# Altium PCB 28Pins_Project_V1I1_PCB.PcbDoc (part 2 of 2)
Units mil, origin at the board's own origin, x right, y up, seen from the top; angles counter-clockwise.
Board outline 2700 x 2100 mil, 2 copper layers (L1, L2), stack 66.476 mil thick; 106 components, 71 nets, 323 pads, 106 vias.
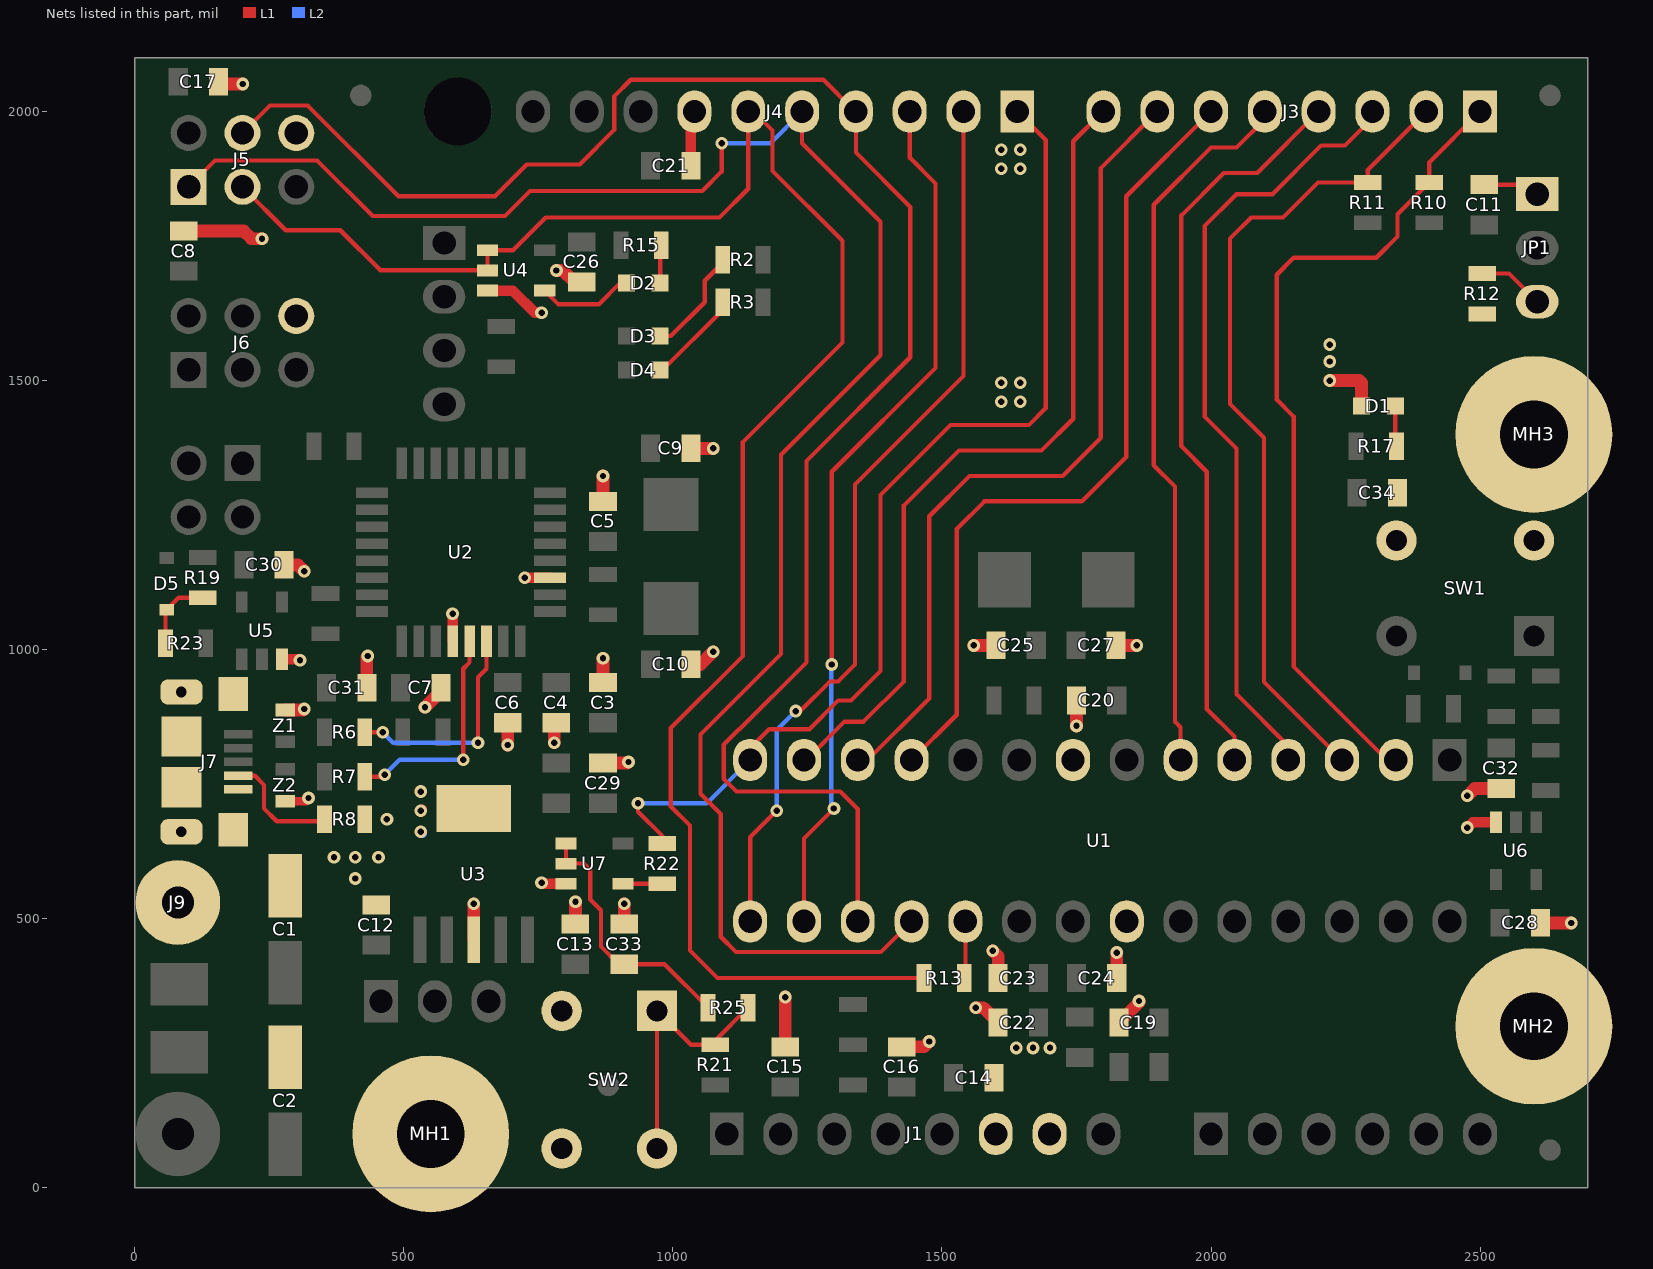
[diagram p2: the nets of this part, all layers, seen from the top]

## Via types
v1: diameter 23.62, hole 11.81, L1 to L2, tented both sides, 106 vias

## Nets (pads, with @x,y where several pads share a name; then routed paths per layer and width w, separated by ;. In a path a pad name is that pad's centre, name@x,y a point inside that pad or via, vN(x,y) a via of type N, cw(c..) or ccw(c..) an arc to the next point about the centre after c; other vN are vias at no path point) (continued)
GND: C1.2 C2.2 C3.2 C4.2 C5.2 C6.2 C7.1 C8.2 C9.1 C10.1 C12.2 C13.2 C14.2 C15.2 C16.2 C17.2 C19.2 C20.2 C21.2 C22.2 C23.2 C24.2 C25.1 C26.2 C27.1 C28.2 C29.2 C30.2 C31.2 C32.2 C33.2 C34.2 D1.1 J1.6 J1.7 J4.7 J5.6 J6.6 J7.5 J7.6 J7.7 J7.8 J7.9 J7.10 J7.11 J9.1 MH1.1 MH2.1 MH3.1 R8.2 R12.2 SW1.3 SW1.4 SW2.3 SW2.4 U1.8 U1.22 U2.3 U2.28 U3.3 U3.6 U4.3 U5.3 U6.3 U7.3 Z1.1 Z2.1 | length 2585.1
  L1 w15.75: J7.9@82.68,657.48 J7.9@86.61,661.42 ; J7.11@86.61,744.09 J7.11@104.33,744.09 ; J7.10@86.61,838.58 J7.10@104.33,838.58 ; J7.7@179.13,661.42 J7.7@183.07,665.35 J7.7@191.93,674.21 ; J7.6@179.13,921.26 J7.6@183.07,917.32 ; C1.2@279.53,564.96 C1.2@279.53,568.9 ; Z2.1@279.53,718.5 v1@318.62,718.5 ; v1@431.1,986.22 v1(433.07,988.19) ; v1(531.5,700.79) v1@535.43,704.72 ; MH1.1@550,100 MH1.1@583.07,66.93 ; U1.8@1743.5,795 U1.8@1750,801.5 ; U1.22@1824.8,476.3 U1.22@1843.5,495
  L1 w19.68: U5.3@273.62,982.28 305.12,982.28 v1(307.09,980.32) ; v1@312.99,887.8 v1(314.96,889.76) ; U2.28@590.55,1015.75 v1(590.55,1066.93) ; U4.3@655.51,1667.32 702.36,1667.32 743.7,1625.98 v1(755.91,1625.98) ; v1(724.41,1133.86) U2.3@771.65,1133.86 ; v1(755.91,566.93) 757.87,564.96 U7.3@801.18,564.96 ; C29.2@862.2,789.37 C29.2@870.08,789.37 ; v1@915.35,789.37 v1(917.32,791.34) ; C21.2@1033.46,1899.61 1033.46,1993.46 1034.72,1993.46 1040,1988.19 J4.7@1040,2000 ; v1(2476.38,669.29) 2486.22,679.13 U6.3@2529.53,679.13
  L1 w23.62: C8.2@90.55,1778.11 202.2,1778.11 216.54,1763.78 v1(236.22,1763.78) ; C17.2@155.51,2055.12 159.45,2051.18 v1(200.79,2051.18) ; C30.2@277.56,1157.48 303.15,1157.48 v1(314.96,1145.67) ; Z1.1@279.53,887.8 v1@312.99,887.8 ; C31.2@431.1,929.13 v1@431.1,986.22 ; v1(539.37,893.07) 568.9,922.6 C7.1@568.9,929.13 ; U3.3@629.92,460.63 v1(629.92,527.56) ; v1(692.91,822.83) C6.2@692.91,864.17 ; v1(779.53,826.77) 779.53,860.24 C4.2@783.46,864.17 ; v1(783.46,1704.72) 795.28,1704.72 816.93,1683.07 C26.2@830.71,1683.07 ; C13.2@818.9,490.16 v1(818.9,531.5) ; C29.2@870.08,789.37 v1@915.35,789.37 ; C3.2@870.08,938.98 v1(870.08,984.25) ; C5.2@870.08,1275.59 v1(870.08,1322.83) ; C33.2@909.45,490.16 v1(909.45,527.56) ; C10.1@1033.46,972.44 1051.18,972.44 v1(1074.8,996.06) ; C9.1@1033.46,1374.02 v1(1074.8,1374.02) ; C15.2@1208.66,261.81 v1(1208.66,354.33) ; C16.2@1425.2,261.81 1466.54,261.81 v1(1476.38,271.65) ; v1(1559.06,1007.87) C25.1@1600.39,1007.87 ; v1(1562.99,334.65) 1576.77,334.65 C22.2@1604.33,307.09 ; v1(1594.49,440.28) 1604.33,430.43 C23.2@1604.33,389.76 ; v1(1750,858.27) C20.2@1750,905.51 ; C27.1@1823.82,1007.87 v1(1862.2,1007.87) ; C24.2@1824.8,389.76 v1(1824.8,437.01) ; C19.2@1828.74,307.09 1866.14,344.49 v1(1866.14,347.09) ; v1(2220.47,1500) 2275.59,1500 2279.53,1496.06 D1.1@2279.53,1452.76 ; v1(2476.38,728.35) 2490.16,742.13 C32.2@2539.37,742.13 ; C28.2@2612.2,492.13 v1(2669.29,492.13)
  L1 w35.43: J1.6@1596.46,103.54 J1.6@1600,100
  L2 w15.75: J7.8@82.68,917.32 J7.8@86.61,921.26 ; v1(531.5,661.42) v1@535.43,657.48 ; MH1.1@550,100 MH1.1@550,108.27 ; J1.6@1600,100 J1.6@1600,124.41 ; U1.22@1824.8,476.3 U1.22@1843.5,495 ; MH3.1@2511.81,1488.19 MH3.1@2600,1400 ; MH2.1@2600,300 MH2.1@2669.29,369.29 ; SW1.3@2600,1203.15 SW1.3@2600.39,1202.76
  other v1: 1637.8,259.84 1669.29,259.84 1700.79,259.84 409.45,574.8 370.08,614.17 409.45,614.17 452.76,614.17 468.5,685.04 322.83,724.41 531.5,736.22 1610.24,1460.63 1645.67,1460.63 1610.24,1496.06 1645.67,1496.06 2220.47,1535.43 2220.47,1566.93 1610.24,1893.7 1645.67,1893.7 1610.24,1929.13 1645.67,1929.13
IO0: J3.1 R10.2 U1.2 | length 1552.8
  L1 w7.87: U1.2@2343.5,795 2327.16,795 2153.54,968.62 2153.54,1433.07 2122.05,1464.57 2122.05,1696.85 2153.54,1728.35 2307.09,1728.35 2346.46,1767.72 2346.46,1809.06 R10.2@2405.51,1868.11 2405.51,1905.51 J3.1@2500,2000
IO1: J3.2 R11.2 U1.3 | length 1531
  L1 w7.87: U1.3@2243.5,795 2098.43,940.08 2098.43,1393.7 2035.43,1456.69 2035.43,1763.78 2074.8,1803.15 2133.86,1803.15 2198.82,1868.11 R11.2@2291.34,1868.11 2291.34,1891.34 J3.2@2400,2000
IO2: J3.3 U1.4 | length 1463.5
  L1 w7.87: U1.4@2143.5,795 2143.5,821.06 2047.24,917.32 2047.24,1374.02 1988.19,1433.07 1988.19,1787.4 2047.24,1846.46 2114.17,1846.46 2204.72,1937.01 2248.82,1937.01 2300,1988.19 J3.3@2300,2000
IO3: J3.4 U1.5 | length 1388
  L1 w7.87: U1.5@2043.5,795 2043.5,838.39 1992.13,889.76 1992.13,1330.71 1944.88,1377.95 1944.88,1807.09 2023.62,1885.83 2085.83,1885.83 J3.4@2200,2000
IO4: J3.5 U1.6 | length 1338.8
  L1 w7.87: U1.6@1943.5,795 1943.5,855.71 1933.07,866.14 1933.07,1303.15 1893.7,1342.52 1893.7,1826.77 2000,1933.07 2047.24,1933.07 2100,1985.83 J3.5@2100,2000
IO5: J3.6 U1.11 | length 1541.6
  L1 w7.87: U1.11@1443.5,795 1527.56,879.06 1527.56,1224.41 1578.74,1275.59 1759.84,1275.59 1842.52,1358.27 1842.52,1842.52 J3.6@2000,2000
IO6: J3.7 U1.12 | length 1547.8
  L1 w7.87: U1.12@1343.5,795 1361.93,795 1476.38,909.45 1476.38,1248.03 1551.18,1322.83 1724.41,1322.83 1795.28,1393.7 1795.28,1895.28 J3.7@1900,2000
IO7: J3.8 U1.13 | length 1549.2
  L1 w7.87: U1.13@1243.5,795 1247.76,795 1318.9,866.14 1354.33,866.14 1429.13,940.94 1429.13,1267.72 1531.5,1370.08 1685.04,1370.08 1744.09,1429.13 1744.09,1944.88 1799.21,2000 J3.8@1800,2000
IO8: J4.1 R22.1 U1.14 | length 1932.8
  L1 w7.87: v1(935.04,714.57) 935.04,698.82 980.32,653.54 R22.1@980.32,639.76 ; U1.14@1143.5,795 1143.5,816.73 1178.86,852.09 1253.66,852.09 1307.09,905.51 1330.71,905.51 1385.83,960.63 1385.83,1287.4 1515.75,1417.32 1661.42,1417.32 1692.91,1448.82 1692.91,1947.09 J4.1@1640,2000
  L2 w7.87: v1(935.04,714.57) 1063.07,714.57 U1.14@1143.5,795
IO9: J4.2 U1.15 | length 1683.1
  L1 w7.87: U1.15@1143.5,495 1143.5,651.38 v1(1192.91,700.79) ; v1(1228.35,885.83) 1236.61,885.83 1291.73,940.94 1307.09,940.94 1338.58,972.44 1338.58,1307.09 1540,1508.5 J4.2@1540,2000
  L2 w7.87: v1(1192.91,700.79) 1192.91,850.39 v1(1228.35,885.83)
MISO: J4.5 J5.1 U1.18 | length 3456.9
  L1 w7.87: J5.1@100,1860 149.21,1909.21 338.82,1909.21 442.13,1805.91 687.8,1805.91 734.25,1852.36 1054.58,1852.36 1090.55,1888.33 v1@1090.55,1937.01 ; J4.5@1240,2008.03 J4.5@1240,2000 1240,1941.1 1385.83,1795.28 1385.83,1547.24 1200.79,1362.2 1200.79,992.13 1051.18,842.52 1051.18,732.28 1088.78,694.69 1088.78,466.34 1117.2,437.91 1386.42,437.91 U1.18@1443.5,495
  L2 w7.87: v1(1090.55,1940.94) 1180.94,1940.94 J4.5@1240,2000
MOSI: J4.4 J5.4 U1.17 | length 3288.9
  L1 w7.87: J5.4@200,1960 251.18,2011.18 321.2,2011.18 489.86,1842.52 669.29,1842.52 728.35,1901.57 826.77,1901.57 890.79,1965.59 890.79,2028.26 921.58,2059.06 1279.53,2059.06 1338.58,2000 J4.4@1340,2000 1340,1923.78 1440.94,1822.83 1440.94,1543.31 1248.03,1350.39 1248.03,976.38 1123.74,852.09 1123.12,852.09 1094.29,823.26 1094.29,760.04 1118.11,736.22 1311.02,736.22 1343.5,703.74 U1.17@1343.5,495
NetC11_2: C11.2 JP1.1 | length 113.6
  L1 w7.87: C11.2@2515.75,1864.17 2572.83,1864.17 2590.55,1846.46 JP1.1@2622.05,1846.46
NetD1_2: D1.2 R17.1 | length 75.6
  L1 w7.87: D1.2@2342.52,1452.76 2342.52,1379.92 R17.1@2344.49,1377.95
NetD2_1: D2.1 U4.4 | length 178.5
  L1 w7.87: U4.4@761.81,1667.32 787.4,1641.73 862.2,1641.73 901.57,1681.1 D2.1@913.39,1681.1
NetD2_2: D2.2 R15.1 | length 74.8
  L1 w7.87: D2.2@976.38,1681.1 R15.1@976.38,1755.91
NetD3_2: D3.2 R2.1 | length 201.4
  L1 w7.87: D3.2@976.38,1582.68 996.06,1582.68 1059.06,1645.67 1059.06,1685.66 1092.52,1719.12 R2.1@1092.52,1724.41
NetD4_2: D4.2 R3.1 | length 176.8
  L1 w7.87: D4.2@976.38,1519.69 980.94,1519.69 1092.52,1631.26 R3.1@1092.52,1645.67
NetD5_2: D5.2 R19.1 R23.1 | length 147.1
  L1 w7.87: R23.1@57.09,1003.94 57.09,1072.08 D5.2@59.06,1074.05 81.46,1096.46 R19.1@125.98,1096.46
NetJ7_4: J7.4 R8.1 | length 222.9
  L1 w7.87: J7.4@191.93,765.75 223.06,765.75 240.16,748.65 240.16,704.72 263.78,681.1 348.43,681.1 R8.1@352.36,685.04
NetJP1_3: JP1.3 R12.1 | length 135.2
  L1 w7.87: R12.1@2503.94,1698.82 2553.94,1698.82 JP1.3@2606.3,1646.46 ; JP1.3@2614.17,1654.33 JP1.3@2622.05,1646.46
NetR22_2: R22.2 U7.4 | length 72.8
  L1 w7.87: U7.4@907.48,564.96 R22.2@980.32,564.96
SCK: J4.6 J5.3 R13.2 U4.1 U4.2 | length 3472.6
  L1 w7.87: J5.3@200,1860 280.47,1779.53 381.89,1779.53 456.3,1705.12 U4.2@655.51,1705.12 ; U4.2@655.51,1704.72 U4.2@655.51,1705.12 ; R13.2@1466.54,389.76 1082.68,389.76 1031.5,440.94 1031.5,673.23 996.06,708.66 996.06,854.33 1129.92,988.19 1129.92,1385.83 1314.96,1570.87 1314.96,1759.84 1185.04,1889.76 1185.04,1964.57 1149.61,2000 J4.6@1140,2000 1140,1856.54 1086.61,1803.15 763.78,1803.15 702.76,1742.13 U4.1@655.51,1742.13 U4.2@655.51,1705.12
SCK_R: R13.1 U1.19 | length 106.1
  L1 w7.87: R13.1@1541.34,389.76 1543.5,391.93 U1.19@1543.5,495
SS: J4.3 U1.16 | length 1630.4
  L1 w7.87: U1.16@1243.5,495 1243.5,649.02 v1(1299.21,704.72) ; v1(1295.28,972.44) 1295.28,1330.71 1488.19,1523.62 1488.19,1866.14 1440,1914.33 J4.3@1440,2000
  L2 w7.87: v1(1295.28,972.44) 1294.29,971.46 1294.29,709.65 v1(1299.21,704.72)
USB_N: R6.2 U2.30 | length 414.3
  L1 w7.87: R6.2@427.17,846.46 v1(460.63,846.46) ; v1(637.8,826.77) 637.8,948.82 653.54,964.57 U2.30@653.54,1015.75
  L2 w7.87: v1(460.63,846.46) 480.31,826.77 v1(637.8,826.77)
USB_P: R7.2 U2.29 | length 421.5
  L1 w7.87: R7.2@427.17,763.78 460.63,763.78 v1(464.57,767.72) ; v1(610.24,795.28) 610.24,964.57 622.05,976.38 U2.29@622.05,1015.75
  L2 w7.87: v1(464.57,767.72) 492.13,795.28 v1(610.24,795.28)
USER_BUTTON: R21.1 R25.1 SW2.1 SW2.2 | length 484.4
  L1 w7.87: SW2.2@970.47,72.83 SW2.1@970.47,328.74 1033.46,265.75 R21.1@1078.74,265.75 1078.74,273.62 R25.1@1139.76,334.65
USER_BUTTON_BUF: C33.1 R25.2 U7.1 U7.2 | length 483.9
  L1 w7.87: U7.1@801.18,639.76 U7.2@801.18,602.36 834.65,602.36 846.46,590.55 846.46,535.43 866.14,515.75 866.14,448.19 898.98,415.35 C33.1@909.45,415.35 984.25,415.35 R25.2@1064.96,334.65
pads on no net: FID1.1 FID2.1 FID3.1 FID4.1 J1.1 J1.8 MH4.1 U2.5 U2.6 U2.7 U2.12 U2.14 U2.22 U2.23 U2.25 U2.26

## Polygon pours and split planes (outlines as drawn)
GND on L2 "L2-No Net" (solid, remove dead copper, pour order 19): 2688.98,2086.61 1011.81,2086.62 1011.81,1909.45 1043.31,1877.95 1125.98,1877.95 2492.13,1877.95 2688.98,1877.95
+5V/3V3_328P_VCC on L2 "L2-No Net" (solid, remove dead copper, pour order 2): 1783.46,602.36 1850.39,602.36 1870.08,582.68 1885.83,566.93 1885.83,397.64 2000,397.64 2000,637.8 1783.46,637.8
+5V/3V3 on L2 "L2-No Net" (solid, remove dead copper, pour order 7): 437.01,1712.6 649.61,1712.6 649.61,1799.21 838.58,1799.21 913.39,1724.41 925.2,1712.6 964.57,1673.23 1086.61,1673.23 1240.16,1673.23 1240.16,1578.74 956.69,1578.74 909.45,1625.98 834.65,1625.98 834.65,1728.35 732.28,1728.35 732.28,1500 492.13,1500 492.13,1574.81 485.01,1574.81 437.01,1574.81
GND on L2 "L2-No Net" (solid, remove dead copper, pour order 8): 11.81,2086.61 11.81,2027.56 216.54,2027.56 216.54,1952.76 216.54,925.2 283.46,925.2 295.28,925.2 295.28,870.08 314.96,870.08 314.96,700.79 314.96,712.6 358.27,712.6 358.27,602.36 358.27,559.05 618.11,559.06 618.11,515.75 1031.5,515.75 1070.87,476.38 1208.66,338.58 1267.72,338.58 1393.7,338.58 1472.44,259.84 1622.68,259.84 1630.55,251.97 1649.61,251.97 2064.57,251.97 2162.99,350.39 2444.88,350.39 2444.88,11.81 2688.98,11.81 2688.98,523.62 2641.73,523.62 2488.19,523.62 2488.19,444.88 2299.21,444.88 2299.21,582.68 2421.26,582.68 2484.25,645.67 2488.19,649.61 2488.19,720.47 2488.19,740.16 2433.07,740.16 2413.39,740.16 2413.39,685.04 2314.96,685.04 2263.78,736.22 2196.85,736.22 2196.85,1303.15 2232.28,1338.58 2240.16,1346.46 2240.16,1578.74 2200.79,1578.74 2129.92,1507.87 929.13,1507.87 862.2,1574.8 854.33,1574.8 818.9,1574.8 818.9,1716.54 748.03,1716.54 744.09,1712.6 744.09,1488.19 480.32,1488.19 480.32,1562.99 425.2,1562.99 425.2,1826.77 267.72,1826.77 267.72,1889.76 374.02,1889.76 425.2,1889.76 425.2,2086.61
+5V_USB on L2 "L2-No Net" (solid, remove dead copper, pour order 6): 291.34,429.13 346.46,429.13 346.46,700.79 303.15,700.79 303.15,712.6 303.15,858.27 283.46,858.27 283.46,913.27 216.65,913.27 216.51,795.31 232.28,779.53 232.28,688.98 275.59,645.67 275.59,562.99 291.34,547.24
+5V/3V3 on L2 "L2-No Net" (solid, remove dead copper, pour order 5): 11.81,236.22 277.56,236.22 305.12,263.78 438.98,397.64 488.19,397.64 507.87,397.64 507.87,307.09 606.3,307.09 606.3,362.2 606.3,393.7 625.98,413.39 645.67,433.07 870.08,433.07 905.51,397.64 921.26,381.89 1023.62,381.89 1023.62,295.28 1078.74,295.28 1106.3,267.72 1141.73,232.28 1168.66,232.28 1358.27,232.28 1417.32,173.23 1437.01,153.54 1570.87,153.54 1570.87,11.81 2433.07,11.81 2433.07,338.58 2311.02,338.58 2173.23,338.58 2074.8,240.16 1625.35,240.16 1617.48,248.03 1464.57,248.03 1385.83,326.77 1200.79,326.77 1023.62,503.94 606.3,503.94 606.3,547.24 358.27,547.24 358.27,417.32 279.53,417.32 279.53,539.37 263.78,555.12 259.84,559.06 259.84,602.36 259.84,641.73 236.22,665.35 220.47,681.1 220.47,728.35 220.47,771.65 204.72,787.4 204.72,2015.75 11.81,2015.75
+3V3 on L2 "L2-No Net" (solid, remove dead copper, pour order 4): 625.98,307.09 625.98,385.83 661.42,421.26 862.21,421.26 921.26,362.2 921.26,279.53 1070.86,279.53 1118.11,232.28 1129.92,220.47 1188.98,220.47 1350.39,220.47 1409.45,161.42 1433.07,137.8 1433.07,62.99 1366.14,62.99 1366.14,106.3 1366.14,110.24 1330.71,145.67 1325.2,151.18 1077.16,151.18 1051.18,177.17 1039.37,188.98 909.45,188.98 866.14,188.98 748.03,307.09
+5V on L2 "L2-No Net" (solid, remove dead copper, pour order 3): 1559.06,141.73 1559.06,11.81 11.81,11.81 11.81,188.98 11.81,224.41 283.46,224.41 440.94,381.89 444.88,385.83 464.57,385.83 488.19,385.83 488.19,326.77 488.19,295.28 740.16,295.28 858.27,177.17 984.25,177.17 1033.07,177.17 1059.06,151.18 1059.06,48.82 1375.59,48.82 1452.76,48.82 1452.76,141.73
GND on L1 "L2-No Net" (solid, remove dead copper, pour order 49): 11.81,948.82 212.6,948.82 212.6,885.83 151.58,885.83 151.58,828.74 149.61,826.77 149.61,748.03 220.47,748.03 220.47,688.98 220.47,685.04 248.03,657.48 259.84,645.67 350.39,645.67 413.39,645.67 413.39,712.6 452.76,712.6 488.19,748.03 562.99,748.03 700.79,748.03 700.79,661.42 681.1,641.73 637.8,641.73 559.06,641.73 535.43,618.11 503.94,586.61 503.94,535.43 503.94,519.69 496.06,511.81 488.19,503.94 437.01,503.94 413.39,503.94 409.45,500 409.45,440.94 409.45,291.34 500,291.34 755.91,291.34 755.91,330.71 755.91,346.46 771.65,362.2 846.46,362.2 846.46,318.9 846.46,271.65 803.15,271.65 803.15,114.17 846.46,114.17 846.46,11.81 385.83,11.81 385.83,102.36 385.83,181.1 240.16,181.1 240.16,295.28 240.16,326.77 307.09,326.77 318.9,326.77 330.71,326.77 330.71,358.27 358.27,387.11 358.27,500 322.83,500 248.03,500 181.1,500 141.73,460.63 125.98,444.88 39.37,444.88 11.81,444.88
GND on L1 "L2-No Net" (solid, remove dead copper, pour order 47): 1732.28,59.06 1732.28,145.67 1716.54,161.42 1712.6,165.35 1712.6,216.54 1712.6,271.65 1629.92,271.65 1625.98,267.72 1598.43,240.16 1578.74,240.16 1578.74,145.67 1578.74,59.06
+5V_USB on L1 "L2-No Net" (solid, remove dead copper, pour order 45): 11.81,338.58 318.9,338.58 318.9,366.14 346.46,393.7 346.46,484.25 314.96,484.25 314.96,452.76 244.09,452.76 165.35,452.76 145.67,433.07 137.8,425.2 110.24,425.2 11.81,425.2
+5V/3V3_328P_VCC on L1 "L2-No Net" (solid, remove dead copper, pour order 43): 1885.83,196.85 1885.83,334.65 1889.76,338.58 1893.7,342.52 1893.7,358.27 1893.7,374.02 1881.89,385.83 1881.89,417.32 1881.89,421.26 1893.7,421.26 1897.64,421.26 1960.63,358.27 1960.63,291.34 1960.63,221.34 1936.14,196.85
+5V/3V3_328P_AVCC on L1 "L2-No Net" (solid, remove dead copper, pour order 41): 1696.86,291.34 1696.86,299.21 1783.46,299.21 1783.46,346.46 1711.73,346.46 1711.73,437.87 1696.85,452.76 1696.85,496.06 1696.85,539.37 1633.86,539.37 1606.3,539.37 1606.3,464.57 1633.86,437.01 1661.42,409.45 1661.42,291.34
+5V/3V3 on L1 "L2-No Net" (solid, remove dead copper, pour order 37): 55.12,1586.61 129.92,1586.61 133.86,1586.61 133.86,1633.86 133.86,1652.68 149.61,1668.43 154.41,1673.23 200.79,1673.23 333.78,1673.23 338.58,1668.43 354.33,1652.68 354.33,1622.05 354.33,1586.61 523.62,1586.61 523.62,1661.42 444.88,1661.42 397.64,1708.66 370.08,1736.22 279.53,1736.22 145.67,1736.22 137.8,1728.35 129.92,1720.47 118.11,1720.47 55.12,1720.47 55.12,1586.61
+5V/3V3 on L1 "L2-No Net" (solid, remove dead copper, pour order 35): 1169.29,59.06 1168.66,59.69 1168.66,204.72 1236.85,204.72 1248.66,216.54 1248.66,240.16 1248.66,291.34 1370.08,291.34 1374.65,291.34 1374.65,244.09 1306.46,244.09 1294.65,232.28 1287.4,225.04 1287.4,177.17 1287.4,165.35 1251.97,129.92 1251.97,90.55 1251.97,59.06 1169.29,59.06
+5V on L1 "L2-No Net" (solid, remove dead copper, pour order 33): 1468.5,59.06 1468.5,145.67 1468.5,153.54 1472.44,157.48 1476.38,161.42 1476.38,177.17 1476.38,236.22 1488.19,248.03 1500,259.84 1500,275.59 1500,283.46 1488.19,295.28 1484.25,299.21 1456.69,299.21 1397.64,299.21 1381.89,314.96 1374.02,322.83 1346.46,322.83 1303.15,322.83 1303.15,358.27 1409.45,358.27 1425.2,342.52 1460.63,342.52 1519.68,342.52 1539.37,322.83 1539.37,248.03 1539.37,169.29 1547.24,161.42 1551.18,157.48 1551.18,151.18 1551.18,59.06 1468.5,59.06
+5V on L1 "L2-No Net" (solid, remove dead copper, pour order 29): 421.26,468.5 421.26,307.09 488.19,307.09 488.19,358.27 531.5,401.57 535.43,405.51 594.49,405.51 594.49,507.87 511.81,507.87 476.38,472.44 472.44,468.5 421.26,468.5
+5V on L1 "L2-No Net" (solid, remove dead copper, pour order 27): 11.81,11.81 311.02,11.81 311.02,137.8 169.29,137.8 169.29,279.53 11.81,279.53
+3V3 on L1 "L2-No Net" (solid, remove dead copper, pour order 25): 1307.09,204.72 1456.69,204.72 1456.69,169.29 1433.07,169.29 1433.07,62.99 1366.14,62.99 1366.14,110.24 1307.09,169.29
+3V3 on L1 "L2-No Net" (solid, remove dead copper, pour order 23): 625.98,385.83 665.35,385.83 665.35,503.94 779.53,503.94 779.53,433.07 846.46,433.07 846.46,377.95 744.09,377.95 744.09,307.09 625.98,307.09
GND on L1 "L2-No Net" (solid, remove dead copper, pour order 21): 1661.42,1940.94 1661.42,1448.82 1594.49,1448.82 1574.8,1448.82 1574.8,1507.87 1574.8,1940.94 1661.42,1940.94
GND on L1 "L2-No Net" (solid, remove dead copper, pour order 17): 2204.72,1586.61 2476.38,1586.61 2476.38,1637.8 2531.5,1637.8 2531.5,1586.61 2688.98,1586.61 2688.98,1535.43 2688.98,1165.35 2334.65,1165.35 2330.71,1165.35 2307.09,1188.98 2307.09,1216.54 2307.09,1220.47 2326.77,1240.16 2326.77,1287.4 2326.77,1318.9 2377.95,1318.9 2377.95,1480.32 2295.28,1480.32 2254.41,1480.32 2204.72,1480.32

## Other copper
L2:
  pour cut-out: 362.2,1465.03 409.45,1465.03 409.45,1248.03 362.2,1248.03

## Silkscreen, mask and mechanical layers (free items; w line width, h text height)
Top Overlay:
  text "ICSP" at 208.66,2023.62 h39.37
  text "FEDEVEL Academy" at 1253,1774 h118.11
  text "Do you want to learn" at 1409.45,1688.98 h78.74
  text "ICSP1" at 181.1,1685.04 h39.37
  text "U" at 1019.68,1661.42 h39.37
  text "how to design boards like this?" at 1248.03,1614.17 h78.74
  text "T" at 1019.68,1562.99 h39.37
  text "Go to: www.fedevel.com/academy" at 1200.79,1535.43 h78.74
  text "R" at 1019.68,1500 h39.37
  text "28Pins V1I1" at 1452.76,1366.14 h118.11
  text "3" at 7.87,1334.65 h39.37
  text "http://www.28pins.com" at 1377.95,1291.34 h78.74
  text "4" at 7.87,1224.41 h39.37
  text "2" at 267.72,1224.41 h39.37
  text "RESET" at 2287.4,1031.5 h39.37 r90
  text "14" at 1161.42,870.08 h35.43 r90
  text "10" at 1555.12,870.08 h35.43 r90
  text "5" at 2062.99,870.08 h35.43 r90
  text "16" at 1263.78,358.27 h35.43 r90
  text "25" at 2161.42,358.27 h35.43 r90
  text "USER" at 744.09,114.17 h39.37 r90
Bottom Overlay:
  lines w10: 452.76,1259.84 688.98,1259.84 ; 457,583 457,610.48 ; 531.5,787.4 531.5,1338.58 ; 557,403 557,610.48 ; 610.24,787.4 610.24,1338.58 ; 657,583 657,610.48 ; 2578.74,551.18 2657.48,551.18 ; 2578.74,629.92 2657.48,629.92 ; 2578.74,708.66 2657.48,708.66 ; 2578.74,787.4 2657.48,787.4 ; 2578.74,866.14 2657.48,866.14 ; 452.76,787.4 688.98,787.4 688.98,1338.58 452.76,1338.58 452.76,816.93 452.76,787.4 ; 2578.74,472.44 2657.48,472.44 2657.48,944.88 2578.74,944.88 2578.74,472.44
  lines w20: 461.5,283.46 461.5,267.72 554.25,267.72 554.25,283.46 ; 476.26,603 537.52,603 ; 576.26,603 637.52,603 ; 633.86,1457.56 649.61,1457.56 649.61,1550.31 633.86,1550.31 ; 2665.35,1749.76 2681.1,1749.76 2681.1,1842.52 2665.35,1842.52
  text "AR/DF" at 2629,2083 h70.87 r90
  text "AD5/SCL" at 768,1934 h86.61 r90
  text "AD4/SDA" at 868,1934 h86.61 r90
  text "AREF" at 968,1934 h86.61 r90
  text "GND" at 1068,1934 h86.61 r90
  text "13" at 1168,1934 h86.61 r90
  text "12" at 1268,1934 h86.61 r90
  text "11~" at 1368,1934 h86.61 r90
  text "10~" at 1468,1934 h86.61 r90
  text "9~" at 1568,1934 h86.61 r90
  text "8" at 1668,1934 h86.61 r90
  text "7" at 1827,1934 h86.61 r90
  text "6~" at 1927,1934 h86.61 r90
  text "5~" at 2027,1934 h86.61 r90
  text "4" at 2127,1934 h86.61 r90
  text "3~" at 2227,1934 h86.61 r90
  text "2" at 2327,1934 h86.61 r90
  text "1" at 2427,1934 h86.61 r90
  text "0" at 2527,1934 h86.61 r90
  text "TX (OUT)" at 2427,1860 h86.61 r90
  text "RX (IN)" at 2527,1860 h86.61 r90
  text "dW/PROG/ISP" at 501,1812.62 h70.87 r90
  text "(c) 2015 FEDEVEL" at 2040,1701.13 h98.43 r90
  text "www.fedevel.com" at 2143,1696.13 h98.43 r90
  text "BOARD VARIANT" at 433.07,1338.58 h70.87 r90
  text "FIXED 5V" at 511.81,1240.16 h70.87 r90
  text "5V / 3V3" at 590.55,1240.16 h70.87 r90
  text "CUSTOM" at 669.29,1240.16 h70.87 r90
  text "MODBOX" at 2559.06,944.88 h70.87 r90
  text "A" at 2637.8,925.2 h70.87 r90
  text "B" at 2637.8,846.46 h70.87 r90
  text "C" at 2637.8,767.72 h70.87 r90
  text "IO" at 584,709 h86.61 r90
  text "D" at 2637.8,688.98 h70.87 r90
  text "E" at 2637.8,610.24 h70.87 r90
  text "+5V INPUT POWER" at 232.28,606.3 h70.87 r90
  text "3.3V" at 686,560 h86.61 r90
  text "5V" at 487,532 h86.61 r90
  text "F" at 2637.8,531.5 h70.87 r90
  text "(OPTIONAL)" at 311.02,492.13 h70.87 r90
  text "-" at 125.98,433.07 h196.85 r90
  text "RESET" at 1328,413.78 h86.61 r90
  text "3.3/5V" at 1228,383.95 h86.61 r90
  text "+3.3V" at 1428,364.26 h86.61 r90
  text "GND" at 1628,327.25 h86.61 r90
  text "GND" at 1728,327.25 h86.61 r90
  text "+5V" at 1528,299.62 h86.61 r90
  text "+" at 141.73,295.28 h196.85 r90
  text "NC" at 1128,264.98 h86.61 r90
  text "NC" at 1828,264.98 h86.61 r90
  text "A4" at 2428,259.99 h86.61 r90
  text "A0" at 2028,257.96 h86.61 r90
  text "A2" at 2228,257.88 h86.61 r90
  text "A3" at 2328,258.47 h86.61 r90
  text "A1" at 2128,249.26 h86.61 r90
  text "A5" at 2614,147 h86.61 r90
Bottom Solder:
  drawing of 3 lines, arcs and shapes, not listed
Mechanical Drawing:
  circle w40: c2600,1400 r62.99
  circle w40: c2600,300 r62.99
  circle w40: c550,100 r62.99
  circle w40: c600,2000 r62.99
  lines w40: 0,2098.42 2700.79,2098.42 2700.79,0.79 2700,0 0,0 0,2098.42 ; 0,2098.42 0,2098.42
  text "Mechanical Drawing" at 196.85,2657.48 h137.8
  text "of 28Pins" at 393.7,2362.2 h137.8
  text ".VersionRevision" at 1771.65,2362.2 h137.8
  text "Units: mils" at -1377.95,-590.55 h80
  text "Scale: 1:1" at -1377.95,-787.4 h80
Manufacturing Notes:
  lines w10: -19.68,-2165.35 3622.05,-2165.35 ; -19.68,-2162.4 -19.68,-1768.7 ; -19.68,-1377.95 3622.05,-1377.95 ; 1555.12,-1771.65 1555.12,-1377.95 ; 2933.07,-1377.95 2933.07,-1082.68 ; 3622.05,-2162.4 3622.05,-1768.7 ; -19.68,-1771.65 3622.05,-1771.65 3622.05,-1082.68 -19.68,-1082.68 -19.68,-1771.65
  text "Files" at 0,4232.28 h60
  text "Board info" at 4232.28,4232.28 h60
  text "*.GTO - Top Overlay" at 0,4133.86 h60
  text "Minimum Track: 200um" at 4232.28,4133.86 h60
  text "*.GTP - Top Paste" at 0,4035.43 h60
  text "Minimum Gap: 200um" at 4232.28,4035.43 h60
  text "*.GTS - Top Solder" at 0,3937.01 h60
  text "Minimum Through Hole VIA: 0.6mm (pad) / 0.3mm (drill). Drilling: L1-L2" at 4232.28,3937.01 h60
  text "*.GTL - L1 (Positive)" at 0,3838.58 h60
  text "*.GBL - L2 (Positive)" at 0,3740.16 h60
  text "1. FINISHED PANEL THICKNESS IS NOT CRITICAL: TO BE APPROXIMATELY 1.6mm" at 4232.28,3740.16 h60
  text "*.GBS - Bottom Solder" at 0,3641.73 h60
  text "*.GBO - Bottom Overlay" at 0,3543.31 h60
  text "2. BOARD FINISH: IMMERSION Au/ELECTROLESS Ni; 0.05-0.12 um GOLD; 3-6um NICKEL" at 4232.28,3543.31 h60
  text "*.GM2 - Mechanical Drawing" at 0,3444.88 h60
  text "*.GM3 - Manufacturing Notes" at 0,3346.46 h60
  text "3. SOLDER RESIST: APPLY TO BOTH SIDES COLOUR - BLUE" at 4232.28,3346.46 h60
  text "*.GM4 - Licence" at 0,3248.03 h60
  text "*.GM28 - Board Outline" at 0,3149.61 h60
  text "4. COMPONENT IDENT: COLOUR TO BE WHITE" at 4232.28,3149.61 h60
  text "5. PANELIZE THE BOARD (4PCS PER PANEL). PLACE FIDUCIALS ON THE PANEL STRIPS AS FOLLOWS:" at 4232.28,2952.76 h60
  text "- FIDUCIAL DIAMTER 1-1.5MM, SOLDER MASK OPENING AT LEAST 1MM GREATER THAN FIDUCIAL" at 4429.13,2854.33 h60
  text "- MINIMUM 4MM DISTANCE FROM THE PANEL EDGE" at 4429.13,2755.91 h60
  text "- 3 FIDUCIALS SHOULD LIE ON TWO LINES THAT INTERSECT AT A RIGHT ANGLE" at 4429.13,2657.48 h60
  text "- PLACE ONE FIDUCIAL INTO EACH PANEL CORNER (FOUR ON THE TOP LAYER)" at 4429.13,2559.06 h60
  text "28Pins" at 196.85,-1279.53 h118.11
  text ".VersionRevision" at 3031.5,-1279.53 h118.11
  text "Copyright 2015" at 177.17,-1574.8 h60
  text "Designed by FEDEVEL" at 1751.97,-1574.8 h60
  text "FEDEVEL" at 177.17,-1673.23 h60
  text "www.fedevel.com" at 1751.97,-1673.23 h60
  text "Contact:" at 177.17,-1968.5 h60
  text "robert.feranec@fedevel.com" at 767.72,-1968.5 h60
Licence:
  text "LICENCE" at 4232.28,1972.44 h60
  text "AUTHOR: FEDEVEL 2015" at 4240.16,1795.28 h60
  text "WEBSITE: http://www.28pins.com" at 4240.16,1696.85 h60
  text "This is a human-readable summary of the licence. Read full licence at:" at 4240.16,1500 h60
  text "https://creativecommons.org/licenses/by-sa/3.0/legalcode" at 4240.16,1401.57 h60
  text "You are free to:" at 4240.16,1204.72 h60
  text "Share - copy and redistribute the material in any medium or format" at 4240.16,1106.3 h60
  text "Adapt - remix, transform, and build upon the material" at 4240.16,1007.87 h60
  text "for any purpose, even commercially." at 4240.16,909.45 h60
  text "The licensor cannot revoke these freedoms as long as you follow the license terms." at 4240.16,712.6 h60
  text "Under the following terms:" at 4240.16,515.75 h60
  text "Attribution - You must give appropriate credit, provide a link to the license, and" at 4240.16,417.32 h60
  text "indicate if changes were made. You may do so in any reasonable manner, but not in any" at 4240.16,318.9 h60
  text "way that suggests the licensor endorses you or your use." at 4240.16,220.47 h60
  text "ShareAlike - If you remix, transform, or build upon the material, you must distribute your" at 4242.28,28.44 h60
  text "contributions under the same license as the original." at 4242.28,-69.98 h60
  text "No additional restrictions - You may not apply legal terms or technological measures" at 4232.28,-295.28 h60
  text "that legally restrict others from doing anything the license permits." at 4232.28,-393.7 h60
  text "Notices:" at 4232.28,-590.55 h60
  text "You do not have to comply with the license for elements of the material in the public domain or where" at 4232.28,-688.98 h60
  text "your use is permitted by an applicable exception or limitation." at 4232.28,-787.4 h60
  text "No warranties are given. The license may not give you all of the permissions necessary for your" at 4232.28,-984.25 h60
  text "intended use. For example, other rights such as publicity, privacy, or moral rights may limit how you" at 4232.28,-1082.68 h60
  text "use the material." at 4232.28,-1181.1 h60
  text "Based on Arduino: http://www.arduino.cc/" at 4232.28,-1377.95 h60
Board Outline:
  lines w10: 0,0 0,2100 2700,2100 2700,0 0,0 ; 0,2098.42 0,2098.42 ; 2700.79,0 2700.79,0 ; 2700.79,2098.42 2700.79,2098.43
ASM Top:
  text "Assembly TOP of 28Pins" at 590.55,2460.63 h60
  text ".VersionRevision" at 1968.5,2460.63 h60
  text ".VariantName" at 1181.1,2303.15 h60

## Dimensions
0,0 to 550,162.99 on Mechanical Drawing
0,0 to 600,2000 on Mechanical Drawing
0,0 to 1100,100 on Mechanical Drawing
0,0 to 1640,2000 on Mechanical Drawing
0,0 to 2000,100 on Mechanical Drawing
0,0 to 2500,2000 on Mechanical Drawing
0,0 to 2600,1400 on Mechanical Drawing
0,0 to 2700,0 on Mechanical Drawing
0,0 to 80,100 on Mechanical Drawing
0,0 to 100,1860 on Mechanical Drawing
0,0 to 2000,100 on Mechanical Drawing
0,0 to 2600,300 on Mechanical Drawing
0,0 to 80,530 on Mechanical Drawing
0,0 to 86.61,921.26 on Mechanical Drawing
0,0 to 2600,1400 on Mechanical Drawing
0,0 to 100,1520 on Mechanical Drawing
0,0 to 100,1860 on Mechanical Drawing
0,0 to 2500,2000 on Mechanical Drawing
0,0 to 0,2100 on Mechanical Drawing

## Text inside footprints (layer, text, board x,y; h text height)
J1: Top Overlay "1" at 1116.14,21.26 h39.37 r90
J2: Top Overlay "1" at 2016.14,21.26 h39.37 r90
J3: Top Overlay "1" at 2515.75,2070.87 h39.37 r90
J4: Top Overlay "1" at 1657.48,2070.87 h39.37 r90
J5: Top Overlay "1" at 19.68,1834.65 h39.37
J6: Top Overlay "1" at 19.68,1496.06 h39.37
JP1: Top Overlay "1" at 2673.23,1830.71 h39.37
JP2: Top Overlay "1" at 271.65,1334.65 h39.37
JP3: Top Overlay "1" at 488.19,1736.22 h39.37
JP4: Top Overlay "1" at 377.95,318.9 h39.37